# Allegro board RK3588S_Template_LP5D315P232SD10H2_42x42_2750MHz_1R2_V10_20220413YWQ.brd (continued)
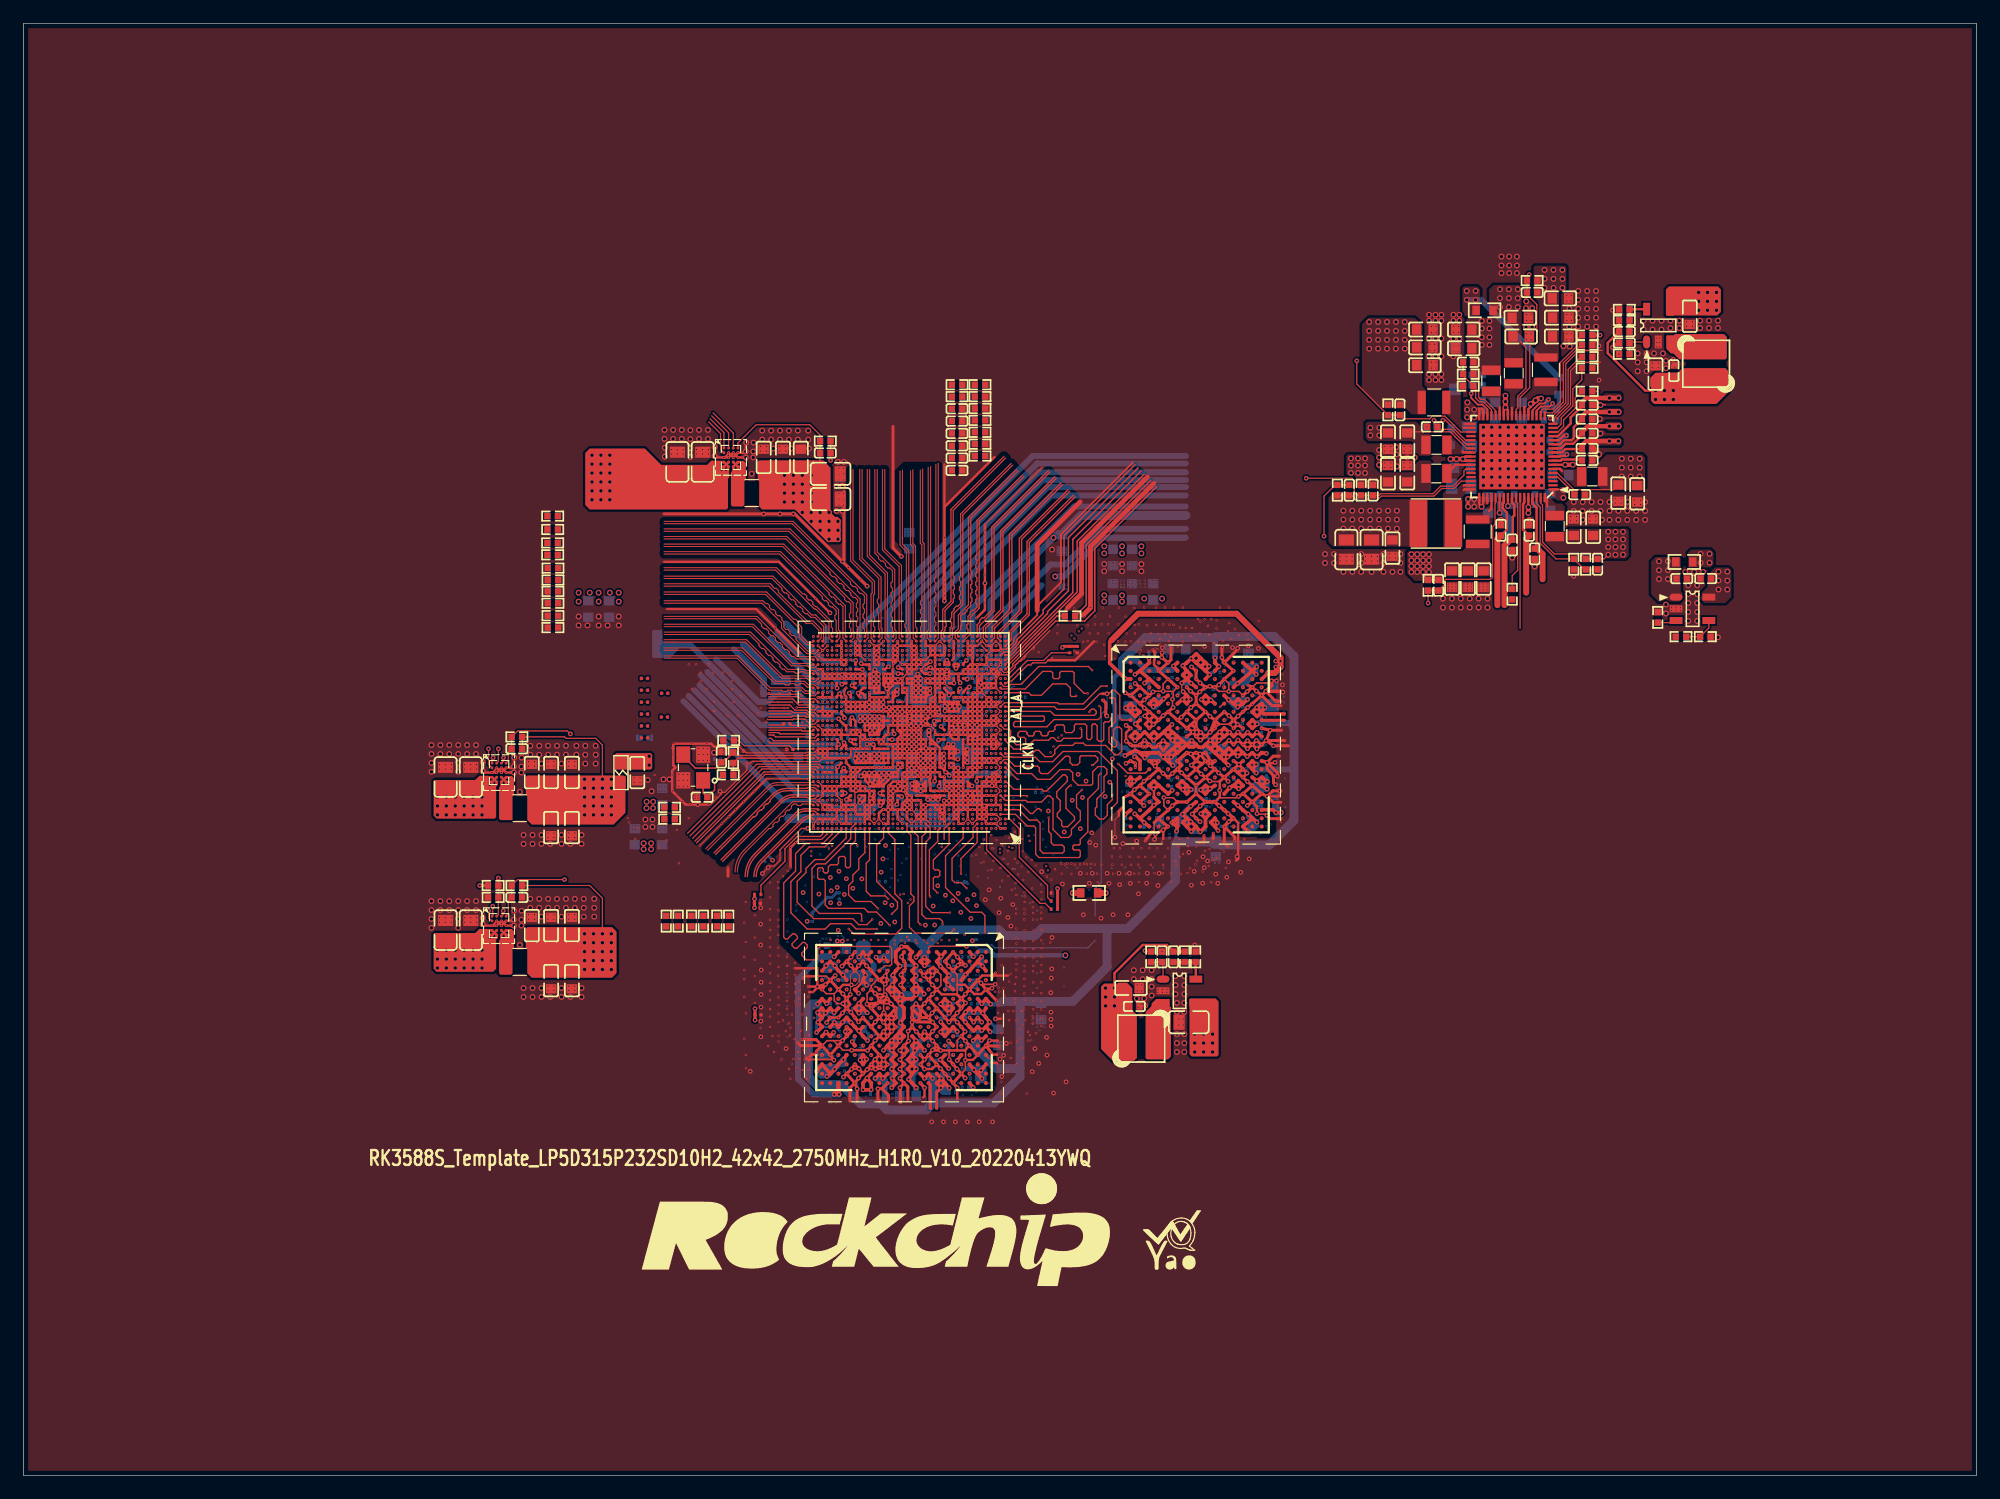
[diagram p0: board, top side]
## Routing (per net, layer and track width the routed paths; a pad name or vN(x,y) marks a point on that pad's centre or on a via; arc(x,y) is an arc through that point) (continued)
89.6,63.78 89.59,63.78 v4(89.57,63.78) 89.57,63.76 89.63,63.7 89.63,63.59 ; 81.67,53.8 84.84,50.63 ; 81.67,53.8 81.11,54.37 ; 81.67,53.8 v3(81.67,53.72) 81.6,53.8 ; 84.84,50.63 85.53,49.94 ; 84.84,50.63 v3(84.76,50.63) 84.76,50.56 ; 64.63,39.3 65.13,38.8 65.13,38.8 65.16,38.77 67.22,38.77 v3(67.56,39.12) ; 64.63,39.3 64.63,38.6 64.72,38.51 ; 84.56,40.58 84.5,40.65 84.5,41.81 84.22,42.09 84.22,42.2 v3(84.23,42.21) ; 84.56,40.58 84.56,41.9 84.25,42.21 v3(84.23,42.21) ; 93.3,70.41 93.26,70.44 ; 93.3,70.41 95.06,70.41 95.13,70.34 95.14,70.34 95.42,70.05 ; 93.3,70.41 93.05,70.41 93.02,70.44 ; 93.26,70.44 93.25,70.44 93.18,70.52 93.18,70.53 93.19,70.51 ; 93.26,70.44 93.23,70.48 v3(93.23,70.5) 93.2,70.5 93.19,70.51 ; 92.01,74.03 94.9,74.03 94.96,74.09 ; 92.01,74.03 86.63,74.03 84.68,72.08 ; 92.01,74.03 99.29,74.03 ; 86.98,71.97 86.42,71.41 ; 86.98,71.97 87.04,71.97 ; 86.98,71.97 87.02,72.02 89.15,72.02 ; 86.42,71.41 83.46,68.45 ; 86.42,71.41 86.42,71.36 ; 92.58,54.14 92.58,53.6 92.66,53.52 92.9,53.52 92.9,53.52 ; 92.58,54.14 92.7,54.02 v4(92.75,54.02) ; 92.58,54.14 92.58,55.94 92.3,56.22 ; v1(69.62,46.6) 69.62,46.5 69.75,46.5 69.89,46.36 ; v1(69.62,46.6) 69.6,46.58 69.48,46.58 69.46,46.56 ; v1(69.62,46.6) 69.47,46.74 69.47,46.99 69.46,47 ; v1(69.62,46.6) 69.57,46.6 69.46,46.71 ; 98.7,74.09 98.64,74.03 97.45,74.03 97.39,74.09 ; 98.7,74.09 98.76,74.03 99.17,74.03 99.23,74.09 ; 98.7,74.09 v4(98.7,74.21) ; 74.11,45.7 74.37,45.7 74.48,45.6 74.68,45.39 74.68,45.33 74.68,45.33 74.68,45.05 74.68,45.05 74.68,44.09 74.53,43.94 ; 74.11,45.7 73.13,45.7 73.06,45.62 72.99,45.62 72.96,45.65 72.33,45.65 72.28,45.7 71.95,45.7 71.87,45.62 71.66,45.62 71.63,45.65 71.12,45.65 ; 94.38,62.46 94.45,62.39 ; 94.38,62.46 94.32,62.52 ; v4(69.14,56.08) 69.19,56.04 69.19,55.93 ; v4(69.14,56.08) 69.09,56.04 ; v4(69.14,56.08) 69.14,56.05 69.01,55.92 ; 76.25,44.27 75.99,44.27 75.91,44.19 ; 76.25,44.27 76.25,44.28 v1(76.27,44.28) ; 76.25,44.27 76.35,44.37 76.35,44.61 76.42,44.68 ; v3(71.09,57.3) 71.2,57.19 71.78,57.19 v3(71.89,57.3) ; 82.8,35.2 82.61,35.2 82.55,35.26 ; 82.8,35.2 v3(82.74,35.26) 82.55,35.26 ; 82.8,35.2 82.84,35.16 ; 96.64,60.71 96.14,60.21 v8(95.89,60.21) 95.64,60.21 95.27,60.58 ; 96.64,60.71 96.62,60.71 96.51,60.6 96.51,60.37 96.44,60.29 ; 88.15,62.7 88.21,62.64 ; 88.15,62.7 88.1,62.75 ; 88.15,62.7 88.09,62.7 87.96,62.57 ; 88.21,62.64 88.03,62.64 87.96,62.57 ; 88.21,62.64 88.99,62.64 ; 98.61,71.14 98.87,71.4 98.87,71.46 ; 98.61,71.14 98.69,71.06 98.74,71.06 ; 91.6,71.34 91.77,71.34 ; 91.6,71.34 v3(91.69,71.26) 91.77,71.34 ; 91.6,71.34 91.58,71.37 ; 91.77,71.34 91.8,71.37 ; 97.31,56.92 97.11,57.13 97.11,57.17 ; 97.31,56.92 97.2,56.92 ; 97.31,56.92 98.87,55.37 98.87,54.79 ; 97.07,62.54 97.69,62.54 ; 97.07,62.54 96.83,62.54 96.73,62.44 96.37,62.44 96.19,62.26 96.07,62.26 ; v8(69.44,54.36) 69.36,54.27 69.01,54.27 ; 94.94,72.68 96.76,72.68 ; 94.94,72.68 v3(94.94,72.67) ; 96.76,72.68 v3(96.77,72.69) ; 97.43,70.8 97.43,70.79 97.43,70.5 97.3,70.38 ; 97.43,70.8 97.43,70.63 97.44,70.63 97.44,70.22 97.43,70.22 ; 97.43,70.8 97.51,70.8 98.12,71.41 ; v8(92.78,53.69) 92.81,53.67 92.81,53.52 92.9,53.52 ; 77.61,37.96 v1(77.68,37.96) 77.59,38.06 ; 77.61,37.96 77.59,37.99 ; 77.61,37.96 77.64,37.93 ; 98.53,61.76 98.59,61.81 98.59,61.85 98.62,61.88 ; 98.53,61.76 v8(98.53,61.74) ; 98.53,61.76 98.56,61.72 98.72,61.72 98.83,61.61 ; 98.53,61.76 98.53,61.78 98.43,61.88 ; 99.32,52.74 99.5,52.92 ; 99.32,52.74 98.91,52.34 ; 99.5,52.92 100.97,54.4 100.97,54.76 100.96,54.77 100.97,54.78 100.97,55.83 ; 68.09,54.36 68.02,54.43 ; 68.09,54.36 67.89,54.36 67.86,54.39 ; 68.09,54.36 68.16,54.43 ; 68.02,54.43 67.91,54.43 67.86,54.39 ; 68.02,54.43 68.16,54.43 ; 105.34,67.34 105.26,67.26 104.62,67.26 ; 74.43,46.37 73.91,46.37 73.83,46.45 v4(73.83,46.62) ; 74.43,46.37 74.8,46.75 ; 74.43,46.37 74.73,46.37 74.8,46.45 74.8,46.75 ; 80.53,36.76 81.11,36.76 81.28,36.59 84.47,36.59 84.84,36.96 84.84,37.05 ; 80.53,36.76 80.37,36.76 79.96,37.16 ; 80.53,36.76 80.53,37.09 v1(80.49,37.14) ; 95,61.04 94.66,61.04 94.51,60.9 ; 95,61.04 95.23,61.04 95.27,61.09 ; 95,61.04 v3(95,60.87) v3(95,60.49) 95.51,59.98 95.64,59.98 ; 91.76,53.73 91.76,53.5 ; 91.76,53.5 91.59,53.34 ; 98.74,61.27 98.74,61.51 98.83,61.61 ; 98.74,61.27 98.74,60.61 ; 87.07,72.61 88.17,72.61 88.21,72.65 88.08,72.65 88.05,72.62 88.04,72.64 87.72,72.64 87.71,72.65 86.88,72.65 ; 87.07,72.61 86.92,72.61 86.88,72.65 ; 87.07,72.61 87.1,72.65 87.4,72.65 ; 96.36,71.34 96.18,71.34 ; 96.36,71.34 96.4,71.29 96.4,71.23 96.4,71.2 96.37,71.16 96.16,71.16 96.16,71.17 92.66,71.17 92.62,71.13 92.61,71.12 92.35,70.86 92.35,70.29 ; 96.36,71.34 96.33,71.37 96.15,71.37 ; 96.18,71.34 96.15,71.37 ; 96.18,71.34 v3(96.27,71.25) ; v1(104.65,70.9) 104.61,70.86 104.61,70.81 104.48,70.69 ; v1(104.65,70.9) 104.61,70.95 104.61,71 104.48,71.12 ; v1(104.65,70.9) 104.63,70.9 104.48,71.05 ; 93.86,69.81 93.8,69.87 ; 93.86,69.81 v3(94.12,69.81) 94.91,69.81 ; 93.86,69.81 v3(93.22,69.81) 92.67,69.81 92.6,69.87 ; 93.8,69.87 94.84,69.87 94.91,69.81 ; 63.47,36.96 63.21,37.21 63.21,37.07 63.32,36.96 63.47,36.96 ; 63.47,36.96 63.53,36.96 ; 82.84,35.16 83.67,35.16 ; 82.84,35.16 82.57,35.16 82.47,35.26 ; 83.67,35.16 83.71,35.2 ; 81.18,42 80.97,42 80.89,42.07 80.78,42.07 80.64,42.22 80.64,42.41 80.92,42.7 80.96,42.7 80.98,42.72 v4(80.98,42.84) ; 81.18,42 81.18,42.21 81.26,42.29 81.66,42.29 81.68,42.3 ; 81.18,42 81.15,41.97 81.15,41.55 ; 65.72,50.99 65.9,50.99 v8(65.94,51.03) ; 65.72,50.99 65.32,50.59 ; 65.72,50.99 65.87,51.14 ; v1(83.03,41.97) 83.03,42.19 82.71,42.51 82.5,42.51 82.43,42.59 81.96,42.59 81.79,42.42 ; 91.94,63.95 92.4,63.95 ; 91.94,63.95 91.87,63.95 91.48,63.56 ; 91.94,63.95 v4(91.67,63.68) 91.55,63.56 ; 92.4,63.95 92.68,63.66 v4(92.73,63.66) ; 92.4,63.95 92.71,63.95 v8(93.12,63.54) 93.12,62.95 ; 84.07,71.63 84.07,71.63 84.52,72.08 84.68,72.08 ; 101.39,71.19 100.88,71.19 100.81,71.13 ; 101.39,71.19 101.62,71.19 101.83,71.4 ; 101.39,71.19 101.54,71.19 ; 98.37,72.79 99.81,72.79 100.59,72 100.59,71.46 100.81,71.24 100.81,71.13 ; 98.37,72.79 98.18,72.79 ; 98.37,72.79 v3(98.27,72.69) ; 68.56,35.74 68.71,35.89 ; 68.56,35.74 68.56,35.89 ; 68.71,35.89 68.56,35.89 ; 68.71,35.89 68.82,36 ; 95.27,60.58 95.27,61.09 ; 95.27,60.58 95.27,60.35 95.64,59.98 ; 95.27,61.09 95.27,61.57 ; 84.92,48.12 84.92,49.5 ; 76.2,38.99 76.09,38.89 ; 76.2,38.99 76.3,38.99 ; 93.26,53.52 93.09,53.52 ; 93.26,53.52 93.6,53.52 v3(93.68,53.59) 93.74,53.59 93.94,53.8 93.94,53.89 ; 93.26,53.52 v3(93.17,53.61) 93.09,53.52 ; 93.09,53.52 92.9,53.52 ; 101.11,62.45 100.72,62.84 v1(100.57,62.84) 100.57,62.78 100.46,62.67 100.17,62.67 99.96,62.45 ; 94.24,62.39 94.45,62.39 ; 94.24,62.39 94.32,62.47 94.32,62.78 ; 94.45,62.39 95.37,62.39 95.48,62.28 95.58,62.28 ; 84.87,52.38 84.87,52.51 83.86,53.52 83.59,53.79 83.45,53.79 83.06,54.18 82.39,54.85 82.39,54.86 ; 84.87,52.38 v3(84.94,52.38) ; 84.87,52.38 84.86,52.38 84.8,52.44 ; 84.87,52.38 84.94,52.31 ; 76.08,39.03 76.26,39.03 76.3,38.99 ; 76.08,39.03 75.89,39.03 ; 76.08,39.03 76.08,38.94 ; 75.91,40.65 75.91,40.3 75.91,39.69 75.95,39.64 ; 75.91,40.65 v1(76.26,40.31) 75.95,40 75.95,39.64 ; 75.91,40.65 75.91,41.37 ; 97.73,54.21 97.71,54.18 97.39,54.18 ; 97.73,54.21 97.75,54.18 98.15,54.18 98.27,54.3 ; 97.73,54.21 97.73,54.34 97.65,54.41 97.56,54.41 97.56,54.61 97.6,54.64 ; 98.87,54.79 98.87,54.47 ; 98.87,54.79 98.56,54.48 v4(98.56,54.14) ; 98.87,54.47 98.87,54.32 ; 98.87,54.47 v3(98.79,54.4) ; 87.84,53.04 88.18,52.7 ; 87.84,53.04 84.64,56.24 ; 87.84,53.04 87.84,53 ; 88.18,52.7 88.14,52.7 87.84,53 ; 69.11,45.82 69.11,45.9 68.92,46.09 68.92,46.4 ; 96.66,67.62 96.66,67.84 ; 104.48,70.69 104.48,70.22 ; 104.48,70.69 104.48,71.05 ; 102.9,66.92 102.48,66.92 ; 102.48,66.92 102.23,67.18 ; 102.48,66.92 102.48,66.86 ; 90.05,56.84 90.78,56.84 ; 90.05,56.84 89.62,56.84 ; 90.05,56.84 89.89,56.68 v8(89.8,56.68) 89.6,56.68 89.44,56.84 ; 90.78,56.84 v8(90.94,56.68) 90.95,56.69 91.22,56.69 ; 90.78,56.84 91.17,56.84 v8(91.24,56.77) 91.22,56.75 91.22,56.69 ; 103.6,66.63 103.83,66.63 104.02,66.44 ; 103.6,66.63 103.46,66.49 103.26,66.49 103.12,66.63 103.12,66.86 v1(102.98,67) ; 103.6,66.63 103.6,66.83 103.54,66.89 103.54,67.15 103.33,67.36 103.33,67.71 ; 75.32,48.58 75.32,49.39 75.45,49.53 ; 75.32,48.58 75.32,48.53 75.45,48.39 75.45,47.16 75.45,46.81 75.45,46.7 75.45,46.26 ; 75.45,46.07 75.45,46.26 ; 75.45,46.07 75.2,45.82 ; 70,41.17 69.89,41.28 70.02,41.28 70.17,41.13 ; 70,41.17 v1(70.01,41.17) 69.91,41.27 69.73,41.27 69.62,41.17 ; 70,41.17 69.62,41.17 ; v3(83.55,37.82) 83.69,37.68 83.81,37.68 ; v4(103.4,69.15) 103.24,69.15 103.09,69.31 103.09,71.81 102.51,72.39 v3(101.95,72.39) 101.31,71.75 101.2,71.75 101.12,71.83 101.12,72.61 100.86,72.88 100.67,72.88 v3(100.57,72.97) v3(100.36,73.18) 100.28,73.27 ; v4(103.4,69.15) 103.4,69.11 103.37,69.08 103.37,69.08 ; v4(103.4,69.15) 103.36,69.19 103.3,69.19 ; 83.09,58.9 83.33,58.66 ; 83.69,37.8 83.78,37.71 ; v1(74.18,38.76) 74.45,39.03 75.8,39.03 ; v1(74.18,38.76) 73.53,38.76 73.52,38.76 ; v1(74.18,38.76) 74.18,39.27 74.14,39.3 74.14,39.54 74.1,39.58 74.01,39.58 ; 64.63,50.68 64.66,50.71 ; 64.63,50.68 64.63,50.68 ; 64.63,50.68 64.6,50.65 64.6,50.37 ; 64.66,50.71 v3(64.49,50.71) ; 97.22,54.18 97.26,54.14 v3(97.29,54.14) 97.31,54.14 97.36,54.18 ; 97.22,54.18 97.36,54.18 ; 97.22,54.18 96.59,54.18 96.48,54.29 96.48,54.4 96.62,54.54 96.62,54.72 96.71,54.82 96.71,54.82 v1(96.71,54.82) ; 98.11,51.36 99.32,51.36 ; 98.11,51.36 v3(98.03,51.44) ; 98.11,51.36 97.94,51.36 ; 99.32,51.36 v3(99.45,51.49) 99.58,51.36 ; 99.32,51.36 99.58,51.36 ; 84.18,53.38 84.11,53.45 ; 84.18,53.38 84.57,52.99 ; 104.49,68.66 104.53,68.7 104.53,68.71 104.5,68.74 104.5,68.84 104.54,68.88 ; 104.49,68.66 104.49,68.68 104.5,68.69 ; 104.49,68.66 104.48,68.64 ; v1(70.74,41.93) 70.76,41.93 70.84,42 71.26,42 71.38,42.12 71.38,42.4 71.15,42.63 70.98,42.63 70.78,42.43 70.49,42.43 70.4,42.35 70.05,42.35 70.05,42.35 ; v3(84.94,52.38) 85.18,52.38 87.05,50.52 ; v3(84.94,52.38) 84.94,52.31 ; v3(84.94,52.38) 84.87,52.45 ; v8(68.84,46.48) 68.92,46.4 ; 75.91,41.69 75.91,41.37 ; 75.91,41.69 v8(76.07,41.53) 75.91,41.37 ; 75.91,41.69 75.91,42.23 ; 95.77,59.69 94.5,59.69 ; 95.77,59.69 95.77,59.35 v1(95.75,59.32) 95.73,59.34 ; 95.77,59.69 95.83,59.69 95.83,59.69 96.33,60.18 ; 103.5,54.22 v3(103.5,54.24) ; 103.5,54.22 103.64,54.37 ; v1(96.71,54.82) 96.73,54.84 96.73,55.36 ; v1(96.71,54.82) 96.57,54.82 96.49,54.89 96.49,55.12 ; v1(96.71,54.82) 96.53,55 96.42,55 v3(96.41,54.99) 96.41,55.04 96.49,55.12 ; v3(94.94,72.67) 94.82,72.55 ; v3(94.94,72.67) 94.94,72.74 94.99,72.79 ; 94.82,72.55 90.64,72.55 90.55,72.64 90.3,72.64 90.2,72.55 86.8,72.55 83.24,68.98 82.61,68.98 82.53,69.06 ; 94.82,72.55 96.91,72.55 ; 86.89,47.79 86.93,47.82 86.93,47.95 ; 86.89,47.79 86.89,47.97 ; 86.89,47.79 86.89,45.17 ; v8(97.03,65.91) 96.86,66.07 96.86,66.49 96.72,66.63 96.72,66.76 v1(96.52,66.97) 96.7,66.97 96.78,67.05 96.78,67.49 v4(96.69,67.58) 96.82,67.58 97,67.76 ; 104.52,71.52 104.52,71.51 104.48,71.48 ; 104.52,71.52 104.48,71.55 ; 104.52,71.52 v3(104.62,71.42) 104.48,71.28 ; 81.07,53.35 80.5,53.92 80.5,53.96 80.5,53.96 80.5,54.02 80.5,54.03 80.5,55.11 80.45,55.16 80.45,55.82 80.69,56.07 ; 81.07,53.35 84.92,49.5 ; v8(67.97,53.04) 68.02,53.08 68.02,53.28 ; v8(67.97,53.04) 67.89,52.96 67.69,52.96 ; v8(67.97,53.04) 67.92,53.09 67.82,53.09 ; 92.2,56.32 92.3,56.22 ; 92.2,56.32 92.02,56.5 ; 92.2,56.32 v8(92.2,56.42) 92.13,56.5 92.02,56.5 ; 92.3,56.22 92.24,56.28 92.24,56.28 ; 65.85,40.62 65.85,44.7 v8(65.91,44.77) 65.95,44.81 65.95,45.81 ; 65.85,40.62 v3(65.96,40.51) ; 65.85,40.62 65.85,40.07 65.87,40.04 66.3,40.04 66.4,40.15 66.4,40.35 ; 81.11,35.35 81.06,35.35 ; 81.06,35.35 v4(81,35.35) 80.99,35.36 80.66,35.36 80.54,35.48 80.48,35.48 ; 81.06,35.35 81.44,34.97 81.49,34.97 81.49,34.96 81.69,34.96 81.71,34.98 81.99,34.98 82.35,34.62 84.25,34.62 ; 102.07,67.63 102.46,67.63 ; 102.07,67.63 v1(102.14,67.56) ; 102.07,67.63 102.05,67.65 102.12,67.28 102.23,67.18 ; 102.46,67.63 102.45,67.62 102.44,67.62 102.3,67.48 102.3,67.47 102.3,67.47 102.3,67.39 102.28,67.36 102.28,67.23 102.23,67.18 ; 102.46,67.63 102.56,67.73 102.56,68.04 102.56,68.48 102.74,68.65 102.74,68.67 102.74,68.67 102.74,68.87 102.56,69.05 102.56,69.08 102.56,69.61 102.39,69.77 v1(102.39,69.9) 102.45,69.95 102.45,70.57 ; 101.88,52.64 101.74,52.64 v3(101.73,52.63) ; 83.96,40.68 83.96,40.95 ; 83.96,40.68 83.96,40.28 83.9,40.34 ; 83.81,37.68 83.84,37.68 83.82,37.71 83.78,37.71 ; 83.81,37.68 83.78,37.71 ; 70.77,36.35 v1(70.77,36.35) 70.69,36.42 70.69,36.45 ; 103.33,57.2 103.09,56.97 102.94,56.97 102.68,57.23 ; 73.6,43.01 73.75,43.16 74.25,43.16 74.53,43.43 74.53,43.94 ; 86.93,72.69 86.86,72.69 83.49,69.32 ; 86.93,72.69 86.95,72.71 87.06,72.71 87.07,72.72 87.08,72.71 87.69,72.71 ; 86.93,72.69 86.88,72.65 ; 95.21,52.19 v3(94.64,52.19) ; 95.21,52.19 95.14,52.26 ; 95.58,62.28 95.7,62.28 95.72,62.26 ; 95.58,62.28 95.6,62.26 v3(95.63,62.26) ; 92.05,54.88 92.05,54.12 ; 85.46,47.78 85.46,49.75 ; 85.46,47.78 85.46,39.97 v3(85.52,39.9) 85.63,40.01 85.63,49.72 ; 94.78,72.02 90.94,72.02 ; 94.78,72.02 94.91,72.02 ; 86.37,37.75 86.89,38.27 86.89,45.17 ; 86.37,37.75 86.11,37.75 ; 90.01,72.79 88.81,72.79 ; 90.01,72.79 90.17,72.79 ; 76.42,44.68 76.02,44.68 75.91,44.57 75.91,44.19 ; 76.42,44.68 77.66,44.68 ; 77.59,38.06 77.59,37.99 ; 77.59,38.06 77.59,38.64 ; 65.31,51.83 65.17,51.69 ; 65.31,51.83 v3(65.31,51.67) 65.28,51.69 65.17,51.69 ; 65.17,51.69 64.49,51.02 64.49,50.86 ; 95.92,54.4 95.92,54.65 95.64,54.93 95.64,55.19 96.14,55.69 96.14,55.92 95.9,56.16 95.9,56.53 96.09,56.72 v8(96.13,56.72) ; 95.92,54.4 95.82,54.3 ; 95.92,54.4 95.92,54.19 ; 63.84,51.12 63.8,51.08 63.8,47.56 63.83,47.52 v3(63.8,47.49) ; 63.84,51.12 63.84,51.12 ; 63.84,51.12 67.7,54.98 ; 65.68,37.52 65.69,37.51 65.72,37.51 ; 65.68,37.52 65.49,37.71 ; 70.64,35.69 70.71,35.62 ; 70.71,35.62 v4(70.71,35.49) ; 76.04,47.6 76.04,55.87 76.06,55.88 ; 76.04,47.6 76.06,47.61 ; 75.45,51.83 75.45,51.84 ; 75.45,51.83 75.45,50.11 ; 75.45,51.83 v8(75.45,51.83) 75.45,51.84 ; 75.45,51.84 75.45,54.6 ; 65.72,37.51 66.45,37.51 ; 65.72,37.51 65.49,37.73 ; 72.94,41.36 v1(72.77,41.2) 72.94,41.04 ; 72.94,41.36 72.97,41.4 72.97,41.96 v4(72.76,42.17) 72.94,42.34 72.94,43.1 73.53,43.69 73.96,43.69 73.99,43.73 73.99,44.67 73.68,44.99 v4(73.58,44.99) ; 72.94,41.36 72.94,41.04 ; v4(76.71,63.2) 76.77,63.22 v8(76.89,63.45) ; 103.95,71.74 103.95,69.97 103.79,69.81 103.79,69.29 103.57,69.08 103.37,69.08 ; 103.95,71.74 v3(103.87,71.83) 103.95,71.91 ; 103.95,71.74 103.95,71.91 ; 100.78,53.13 100.53,52.88 ; 100.78,53.13 v1(100.78,52.88) ; 100.78,53.13 101.51,53.85 ; 100.53,52.88 99.87,52.22 ; 100.53,52.88 v1(100.78,52.88) ; 81.15,41.55 80.62,42.08 80.62,42.11 80.4,42.33 80.08,42.33 79.9,42.51 79.61,42.53 79.57,42.53 79.54,42.56 ; 81.15,41.55 81.15,41.52 81.42,41.25 83.39,41.25 83.8,40.84 ; 96.33,60.18 96.44,60.29 ; 96.33,60.18 96.13,59.98 95.64,59.98 ; 88.29,51.62 88.35,51.56 94.93,51.56 ; 86.89,45.17 v3(86.98,45.08) ; v8(86.76,53.07) 86.76,53.06 86.65,52.95 ; 82.39,54.86 82.38,54.86 82.35,54.89 82.35,54.94 82.35,54.94 82.35,54.97 ; 82.39,54.86 82.39,55.01 ; 86.91,73.5 86.85,73.5 83.21,69.86 83.27,69.86 86.73,73.32 ; 86.91,73.5 87.44,73.5 ; 86.91,73.5 86.81,73.39 ; 68.56,35.89 68.56,36.04 ; 92.35,70.29 92.35,70.12 v3(92.43,70.04) 92.6,69.87 ; 102.56,71.23 102.56,71.46 102.5,71.51 ; 102.56,71.23 v3(102.46,71.33) 102.5,71.37 102.5,71.51 ; v3(68.29,55.7) 68.2,55.7 68.17,55.73 68.17,55.93 68.27,56.02 v4(68.31,56.02) ; 68.02,53.28 68.29,53.56 ; 68.02,53.28 67.82,53.09 ; 64.74,51.09 64.63,50.98 64.63,50.95 ; 64.74,51.09 64.86,51.21 v3(64.9,51.21) 66.58,52.9 66.58,52.94 ; 68.68,52.73 68.3,52.35 ; 68.68,52.73 68.68,52.93 v8(68.71,52.96) 68.73,52.98 68.94,52.98 ; 68.68,52.73 68.94,52.98 ; 68.3,52.35 68.01,52.05 ; 68.3,52.35 68.1,52.35 v8(68.07,52.32) 68.01,52.26 68.01,52.05 ; 98.99,51.56 101.54,54.12 v3(101.6,54.12) 101.6,53.95 101.51,53.85 ; 98.99,51.56 98.15,51.56 ; 98.99,51.56 99.21,51.56 99.87,52.22 ; 97.19,55.95 96.81,55.95 96.73,55.87 96.73,55.36 ; 97.19,55.95 v3(97.27,55.87) ; 97.19,55.95 96.97,56.18 96.97,56.25 ; 76.27,56.52 v3(76.29,56.5) v3(76.29,56.1) ; 76.27,56.52 v3(75.89,56.9) ; 66.86,42.6 67.51,43.25 67.73,43.25 ; 66.86,42.6 66.79,42.6 66.65,42.46 v3(66.61,42.46) 66.4,42.25 66.4,42.12 ; 66.86,42.6 66.42,42.16 66.42,42.1 66.4,42.12 ; 77.66,44.68 77.66,42.77 77.66,42.76 v1(77.66,42.74) ; 70.17,41.13 70.61,41.13 70.62,41.11 v1(70.65,41.11) ; 70.17,41.13 70.05,41.13 70.02,41.16 ; 86.76,71.7 86.76,71.69 86.7,71.62 ; 86.76,71.7 87.04,71.97 ; 105.29,67.38 v8(105.3,67.38) ; 105.29,67.38 105.24,67.32 104.62,67.32 ; 105.29,67.38 104.62,67.38 ; 98.87,54.32 98.87,53.81 98.56,53.51 ; 98.87,54.32 v3(98.79,54.4) ; 84.94,52.31 84.94,52.3 85.25,51.98 ; 97,67.76 96.81,67.76 96.66,67.91 96.66,68.13 v4(96.49,68.3) 96.16,68.3 96.13,68.32 96.11,68.32 ; 94.32,62.52 94.32,62.78 ; 94.32,62.78 v1(94.23,62.75) 94.01,62.53 93.43,62.53 ; 101.21,51.85 100.71,51.36 99.95,51.36 ; 101.21,51.85 103.64,54.29 103.64,54.37 ; 91.59,53.34 91.49,53.23 89.5,53.23 ; v1(94.21,60.86) 94.14,60.93 93.89,60.93 93.58,61.24 v1(93.04,61.24) ; 76.44,38.06 76.3,37.93 ; 76.44,38.06 76.86,38.06 76.99,37.93 ; 72.44,62.03 72.57,62.03 72.57,62.02 ; v3(98.79,54.4) 98.66,54.52 v3(98.43,54.52) 98.41,54.55 98.15,54.55 ; v3(98.79,54.4) 98.79,54.37 v4(98.56,54.14) ; v3(79.89,68.1) 79.89,67.96 80.04,67.82 v1(80.04,67.74) 79.55,67.26 v3(79.22,67.26) ; 70.08,54.13 70.29,54.34 ; 70.08,54.13 70.08,54.29 v8(70.13,54.34) ; 70.08,54.13 69.98,54.02 ; 70.29,54.34 70.29,54.5 ; 70.29,54.34 v8(70.13,54.34) ; 91.34,56.11 91.32,56.09 90.49,56.09 ; 91.34,56.11 v8(91.38,56.07) ; 91.34,56.11 91.34,56.11 91.39,56.16 91.61,56.16 91.72,56.04 ; 74.4,48.92 74.37,48.88 74.37,48.77 74.31,48.72 74.31,48.59 ; 74.4,48.92 74.38,48.92 v1(74.2,48.74) ; 74.4,48.92 74.4,48.95 74.66,49.21 74.66,49.77 74.81,49.92 74.81,50.34 74.92,50.45 74.92,51.44 74.86,51.51 74.86,52.08 74.92,52.14 74.92,54.3 74.86,54.36 74.86,54.82 74.87,54.83 74.87,54.85 74.92,54.9 74.92,55.85 v3(74.68,56.09) ; 83.71,35.2 83.84,35.2 ; 83.71,35.2 v3(83.78,35.26) 83.84,35.2 ; 82.08,43.12 81.87,43.12 81.64,43.36 81.38,43.36 81.1,43.08 ; 82.08,43.12 82.3,43.35 ; 82.08,43.12 82.2,43.12 v8(82.3,43.22) 82.3,43.35 ; 98.32,70.47 98.32,70.63 98.74,71.06 ; 95.39,52.99 97.43,52.99 97.51,52.9 ; 95.39,52.99 95.14,52.99 ; 95.39,52.99 v3(95.27,52.86) ; v3(65.49,37.61) 65.49,37.71 ; 65.49,37.71 65.49,37.73 ; v3(84.9,37.11) 84.84,37.05 ; 84.84,37.05 84.78,36.99 v3(84.35,36.99) 84.29,36.93 v1(83.98,36.93) 83.57,36.93 v8(83.54,36.9) ; 82.39,55.38 82.39,55.6 ; 82.39,55.38 82.39,55.17 ; 82.39,55.38 82.35,55.34 ; 94.19,60.58 94.19,59.99 ; 94.19,60.58 94.51,60.9 ; 104.43,68.29 104.54,68.41 104.54,68.45 ; 104.43,68.29 v8(104.39,68.25) ; 88.23,53.4 84.62,57.02 83.32,57.02 83.19,57.15 82.18,57.15 ; 88.23,53.4 88.41,53.23 88.51,53.23 ; 88.23,53.4 88.34,53.4 88.51,53.23 ; 103.61,55.82 103.03,55.82 v1(102.98,55.87) 102.95,55.85 102.95,54.92 102.87,54.83 v4(102.97,54.73) ; 103.61,55.82 103.64,55.78 103.64,54.37 ; 68.83,55.07 68.83,55.02 67.4,53.59 ; 68.83,55.07 68.78,55.02 68.75,55.02 68.16,54.43 ; 81.11,54.25 81.14,54.25 81.6,53.8 ; 81.11,54.25 81.11,54.37 ; 81.11,54.25 81.11,54.21 81.52,53.8 ; 96.97,56.25 96.97,56.46 97.19,56.69 97.19,56.72 97.2,56.72 ; 96.97,56.25 97.05,56.18 97.18,56.18 ; 64.41,47.4 64.41,47.59 ; 64.41,47.4 64.49,47.49 ; 64.41,47.59 64.49,47.5 ; 64.41,47.59 64.41,50.84 ; 85.99,37.37 v3(85.99,37.63) 86.11,37.75 ; 85.99,37.37 85.87,37.24 ; 97.74,68.49 98.05,68.49 v4(98.19,68.35) ; 97.74,68.49 97.57,68.65 97.57,69.05 98.1,69.57 98.1,70.14 ; 92.1,52.2 92.03,52.14 ; 92.03,52.14 89.86,52.14 ; 95.42,51.56 97.91,51.56 ; 95.42,51.56 94.93,51.56 ; 97.91,51.56 v3(98.03,51.44) ; 97.91,51.56 98.15,51.56 ; 79.81,45.86 79.81,45.87 79.79,45.89 75.78,45.89 75.56,46.1 ; 79.81,45.86 79.86,45.82 79.86,45.74 79.77,45.65 75.49,45.65 75.38,45.54 75.38,40.08 75.29,39.99 74.46,39.99 v1(74.14,40.31) 74.13,40.31 74.13,40.33 74.11,40.31 ; v3(84.23,42.21) 84.33,42.31 v3(84.33,42.84) 84.33,42.97 83.83,43.47 ; v3(96.64,51.46) 96.75,51.36 ; 96.75,51.36 95.38,51.36 ; 96.75,51.36 97.94,51.36 ; 84.76,50.56 81.52,53.8 ; 